# Altium PCB zigbee_esp_gateway_pcb.PcbDoc
Units mil, origin at the board's own origin, x right, y up, seen from the top; angles counter-clockwise.
Board outline 3543.31 x 1377.95 mil, 2 copper layers (Top Layer, Bottom Layer); 35 components, 31 nets, 146 pads, 47 vias.
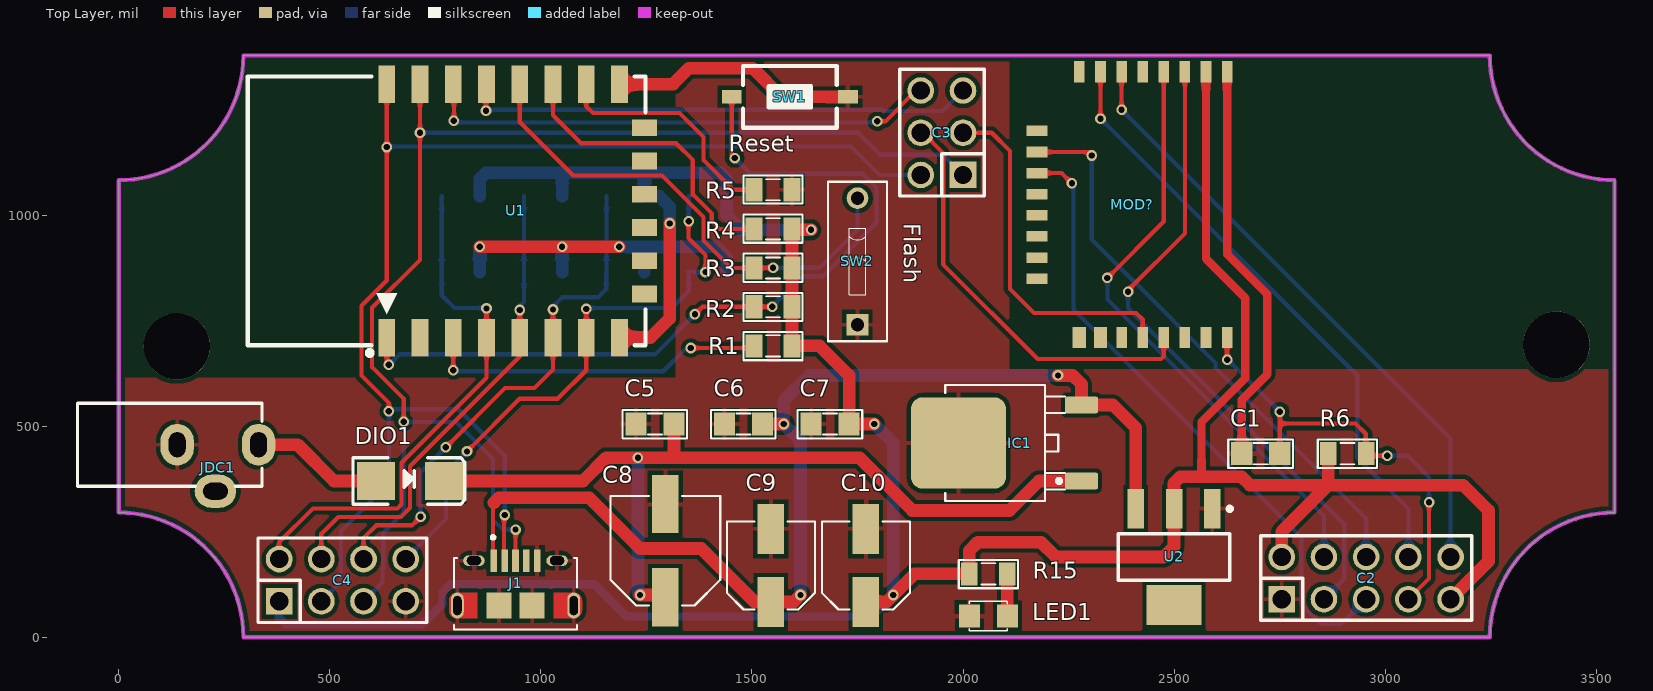
[diagram p0: Top Layer view]
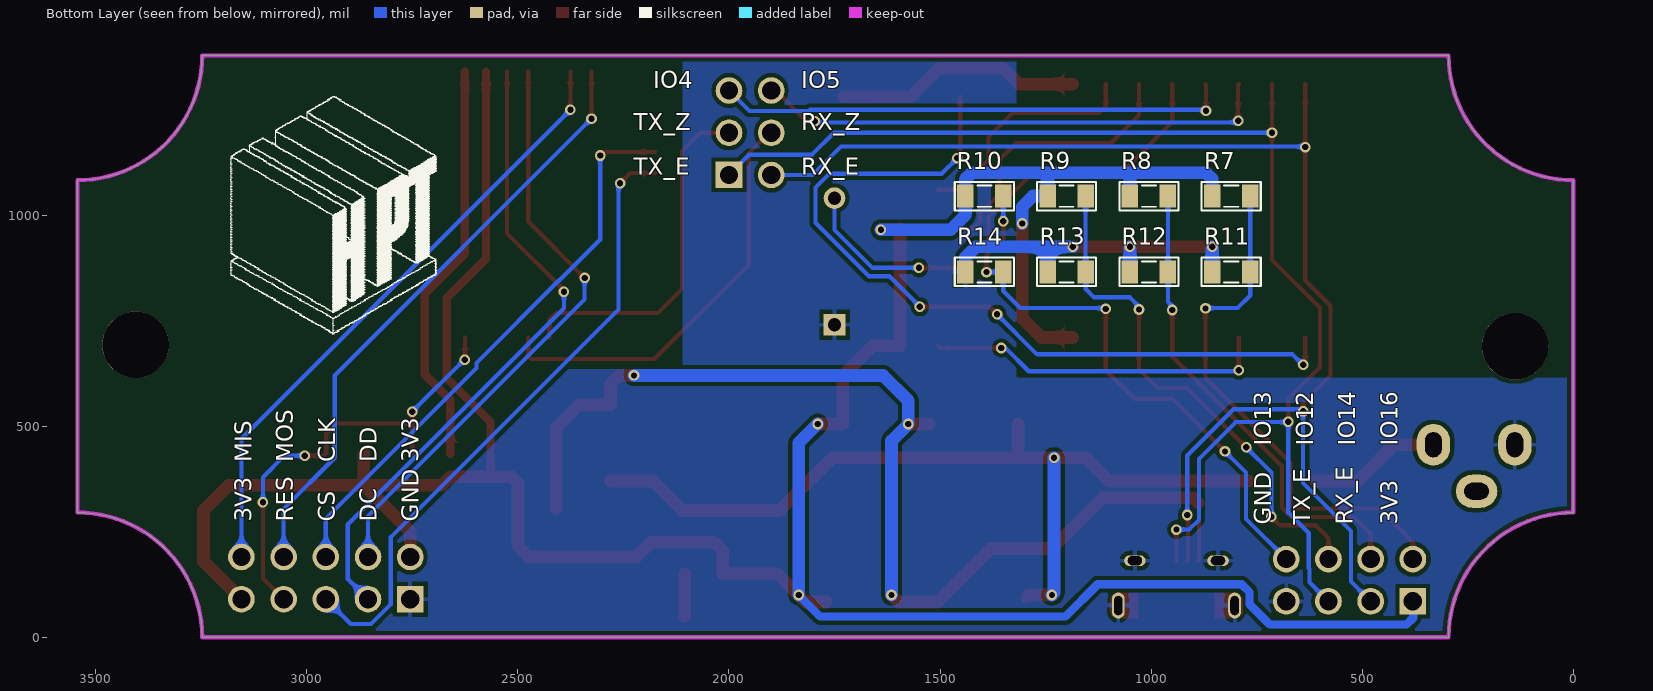
[diagram p1: Bottom Layer view, seen from below]
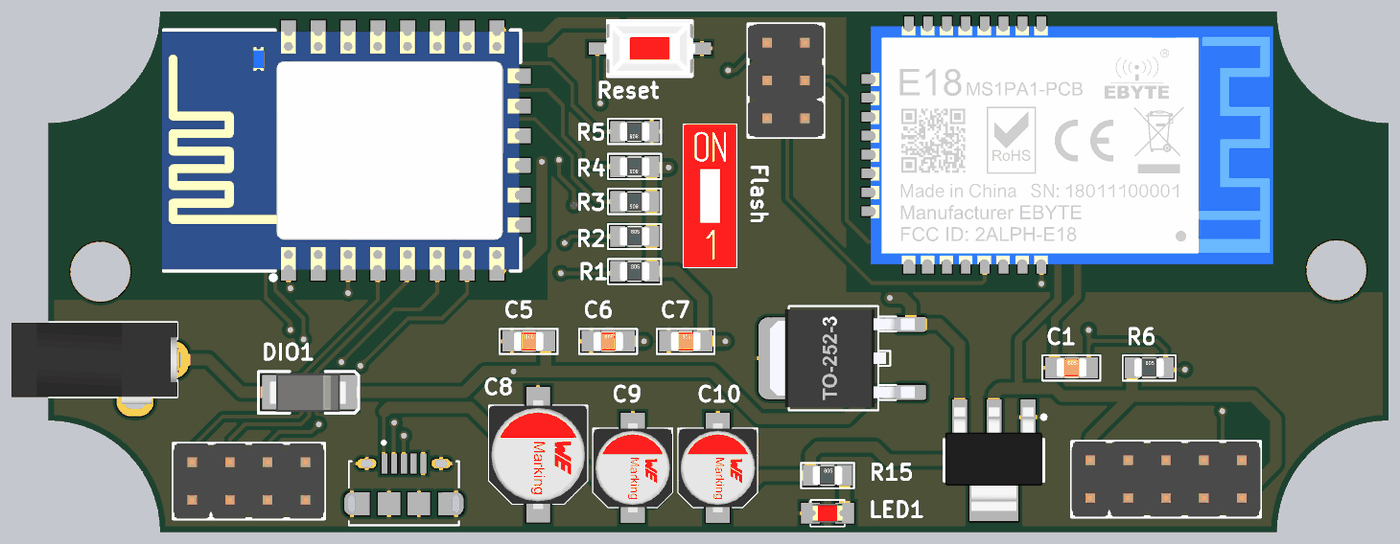
[diagram p2: 3D render of the assembled board from above, using the file's embedded part models]
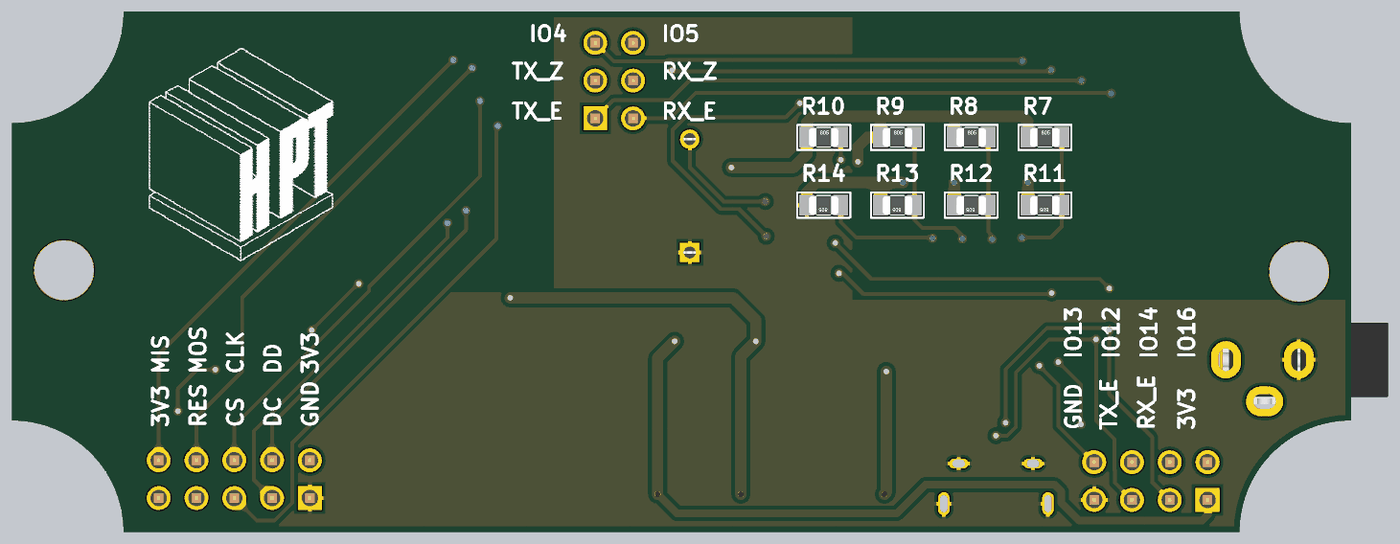
[diagram p3: 3D render of the assembled board from below, using the file's embedded part models]

## Layer stack, top to bottom
Top Solder: solder mask 0.4, Solder Resist, Dk 3.5
Top Layer: signal copper 1.4
Dielectric 1: dielectric 12.6, FR-4, Dk 4.8
Bottom Layer: signal copper 1.4
Bottom Solder: solder mask 0.4, Solder Resist, Dk 3.5

## Board outline
0,295.28 cw(c0,0) 295.28,0 3248.03,0 cw(c3543.31,0) 3543.31,295.28 3543.31,1082.68 cw(c3543.31,1377.95) 3248.03,1377.95 295.28,1377.95 cw(c0,1377.95) 0,1082.68

## Design rules (kind name [scope] priority, off if disabled: settings)
Clearance [All] p1: gap=10
PolygonConnect [All] p1: connectstyle=Relief reliefconductorwidth=10 reliefentries=4 polygonreliefangle="90 Angle" airgapwidth=10
RoomDefinition zigbee_esp_gateway_schematic [InComponentClass('zigbee_esp_gateway_schematic')] p1: confinementstyle=ConfineIn formatcopy=TRUE lockcomponents=FALSE outline 3590.28,60 13470.28,60 13470.28,1875 3590.28,1875
RoutingVias [All] p1: holewidth=15 width=25 viastyle="Through Hole" minholewidth=15 minwidth=25 maxholewidth=28 maxwidth=50
SolderMaskExpansion [All] p1: expansion=4
Width [All] p1: maxlimit=50 minlimit=10 preferedwidth=10
30 further rules are at their usual default settings.

## Components (designator, comment, footprint, x,y, rotation, side; value= is the part's Value field where it differs from the comment)
C1 "104" SM-CAP-0805 2660.28,435 r0 top
C2 "JP5x2" JP5-D2T 2955,140 r0 top
C3 "JP3x2" JP3-D2T 1950,1195 r90 top
C4 "JP4x2" JP4-D2T 530,135 r0 top
C5 "104" SM-CAP-0805 1225.28,505 r0 top
C6 "104" SM-CAP-0805 1435.28,505 r0 top
C7 "104" SM-CAP-0805 1640.28,505 r0 top
C8 "4.7uF,50V" CAP-ALU-SMD-6.3x7.7x2.2 1295,205 r90 top
C9 "10uF,16V" CAP-ALU-SMD-5x5.5x1.4 1545,170 r90 top
C10 "10uF,16V" CAP-ALU-SMD-5x5.5x1.4 1770,170 r90 top
DIO1 "Diode SMD" DIO-SMD-106 690,370 r180 top
IC1 "LM78xx" TO252-123 2135,460 r90 top
J1 "10118194-0001LF" AMPHENOL_10118194-0001LF 940,75 r0 top
JDC1 "Jac DC" DC3 331.5,455.98 r0 top
LED1 "LED" LED-0805-Red 2105,50 r180 top
MOD? "EBYTE-LORA-ZIGBEE-MODULE" EBYTE-LORA-ZIGBEE-MODULE 2090,725 r90 top
R1 "Res" RES-SMD-0805 1550,690 r0 top
R2 "Res" RES-SMD-0805 1550,782.75 r0 top
R3 "10K" RES-SMD-0805 1550,874.5 r180 top
R4 "10K" RES-SMD-0805 1550,967.25 r180 top
R5 "10K" RES-SMD-0805 1550,1060 r180 top
R6 "Res" RES-SMD-0805 2910.28,435 r0 top
R7 "10K" RES-SMD-0805 810.28,1045 r180 bottom
R8 "10K" RES-SMD-0805 1005.28,1045 r180 bottom
R9 "10K" RES-SMD-0805 1200.28,1045 r180 bottom
R10 "10K" RES-SMD-0805 1395.28,1045 r180 bottom
R11 "10K" RES-SMD-0805 810.28,865 r0 bottom
R12 "10K" RES-SMD-0805 1005.28,865 r0 bottom
R13 "10K" RES-SMD-0805 1200.28,865 r0 bottom
R14 "10K" RES-SMD-0805 1395.28,865 r0 bottom
R15 "Res" RES-SMD-0805 2060,150 r0 top
SW1 "Reset" SW1-SMD 1590,1280 r180 top
SW2 "Flash" SW-DIP1-1 1750,890 r0 top
U1 "ESP_12_E" ESP_12_E 635,695 r90 top
U2 "LM1117-3.3V" SOT223 2500,190 r180 top

## Footprints (in the part's own frame and the unit in brackets; to place one, negate y for a bottom-side part, rotate by r counter-clockwise, add the part's x,y. Pads: shape width x height; smd on the part's side, far side on the other; paste and mask are expansions set on the pad)
AMPHENOL_10118194-0001LF [mm]
  rect 0.4x1.35 smd: 1(-1.3,2.7) 2(-0.65,2.7) 3(0,2.7) 4(0.65,2.7) 5(1.3,2.7)
  oval 1.3x0.65 hole 0.55 slot 0.85 at 0 deg: S1(-2.5,2.7) S2(2.5,2.7)
  oval 0.775x1.55 hole 0.5 slot 1.15 at 90 deg: S3(-3.5,0) S6(3.5,0)
  rect 1.5x1.55 smd: S4(-1,0) S5(1,0)
  Top Layer region: 193 vertices and 0 holes, not listed, extent 2.3,-0.78 4,0.775
  Top Layer region: 193 vertices and 0 holes, not listed, extent -4,-0.775 -2.3,0.78
  silkscreen extent -3.7,-1.45 3.7,4.2
CAP-ALU-SMD-5x5.5x1.4 [mm]
  rect 3x1.6 smd: 1(-2.2,0) 2(2.2,0)
  silkscreen extent -2.65,-2.65 2.65,2.65, body extent -3,-2.65 3,2.65, height 5.45
CAP-ALU-SMD-6.3x7.7x2.2 [mm]
  rect 3.5x1.6 smd: 1(-2.8,0) 2(2.8,0)
  silkscreen extent -3.3,-3.3 3.3,3.3, body extent -3.65,-3.3 3.65,3.3, height 7.65
DC3 [mm] "WR-DC_DC Power Jack_Right Angled_THT Center Pin ?1.0_Plug ID ?1.05_Plug OD ?3.5"
  oval 2x2.5 hole 1 slot 1.5 at 90 deg: 1(0,0) 2(-4.9,0)
  oval 2.5x2 hole 1 slot 1.5 at 0 deg: 3(-2.6,-2.8)
  silkscreen extent -10.9,-2.5 0.2,2.5, body extent -10.9,-3 0.4,2.5, height 7.81
DIO-SMD-106 [mil]
  rect 90x90.55 smd: 1(80,0) 2(-80,0)
  silkscreen extent -130,-55 135,55, body extent -99,-50 106,52, height 95
EBYTE-LORA-ZIGBEE-MODULE [mil]
  rect 50x25 smd: 1(614.46,-535.65) 2(614.46,-485.65) 3(614.46,-435.65) 4(614.46,-385.65) 5(614.46,-335.65) 6(614.46,-285.65) 7(614.46,-235.65) 8(614.46,-185.65) 19(-15.46,-285.65) 20(-15.46,-335.65) 21(-15.46,-385.65) 22(-15.46,-435.65) 23(-15.46,-485.65) 24(-15.46,-535.65)
  rect 25x50 smd: 9(474.3,-85.25) 10(424.3,-85.25) 11(374.3,-85.25) 12(324.3,-85.25) 13(274.3,-85.25) 14(224.3,-85.25) 15(174.3,-85.25) 16(124.3,-85.25)
  rect 50x31.5 smd: 17(-15.46,-185.65) 18(-15.46,-235.65)
  body extent -17,-1147 614,-84, height 107
ESP_12_E [mm] "ESP-12 Wi-Fi Module by AI-Thinker"
  rect 2.25x1 smd: 1(0.375,0) 2(0.375,-2) 3(0.375,-4) 4(0.375,-6) 5(0.375,-8) 6(0.375,-10) 7(0.375,-12) 8(0.375,-14) 15(15.625,-14) 16(15.625,-12) 17(15.625,-10) 18(15.625,-8) 19(15.625,-6) 20(15.625,-4) 21(15.625,-2) 22(15.625,0)
  rect 1x1.5 smd: 9(3,-15.5) 10(5,-15.5) 11(7,-15.5) 12(9,-15.5) 13(11,-15.5) 14(13,-15.5)
  silkscreen extent -0.7,-15.57 16.08,8.37, body extent 0,-15.49 16,8.51, height 2.75
JP3-D2T [mm] "6 pins, dual pin, straight, gold plating"
  rect 1.6x1.6 hole 1.1: 1(-2.54,-1.27)
  round 1.6 hole 1.1: 2(0,-1.27) 3(2.54,-1.27) 4(2.54,1.27) 5(0,1.27) 6(-2.54,1.27)
  silkscreen extent -3.81,-2.54 3.81,2.54, body extent -3.81,-2.54 3.81,2.54, height 8.55
JP4-D2T [mm] "8 pins, dual pin, straight, gold plating"
  rect 1.61x1.6 hole 1.1: 1(-3.81,-1.27)
  oval 1.61x1.6 hole 1.1: 2(-1.27,-1.27) 3(1.27,-1.27) 4(3.81,-1.27) 5(3.81,1.27) 6(1.27,1.27) 7(-1.27,1.27) 8(-3.81,1.27)
  silkscreen extent -5.08,-2.54 5.08,2.54, body extent -5.08,-2.54 5.08,2.54, height 8.55
JP5-D2T [mm] "10 pins, dual pin, straight, gold plating"
  rect 1.6x1.6 hole 1.1: 1(-5.08,-1.27)
  round 1.6 hole 1.1: 2(-2.54,-1.27) 3(0,-1.27) 4(2.54,-1.27) 5(5.08,-1.27) 6(5.08,1.27) 7(2.54,1.27) 8(0,1.27) 9(-2.54,1.27) 10(-5.08,1.27)
  silkscreen extent -6.35,-2.54 6.35,2.54, body extent -6.35,-2.54 6.35,2.54, height 8.55
LED-0805-Red [mil]
  rect 50x55 smd: 1(0,0) 2(90,0)
  silkscreen extent 0,-35 90,35, body extent 5,-25 85,25, height 43
RES-SMD-0805 [mil]
  rect 39.37x55 smd: 1(-45,0) 2(45,0)
  silkscreen extent -70,-34 70,33, body extent -39,-25 39,25, height 31
SM-CAP-0805 [mil]
  rect 50x55 smd: 1(0,0) 2(90,0)
  silkscreen extent -32,-34 121,33, body extent 6,-25 84,25, height 31
SOT223 [mm]
  rect 1x2.4 smd: 1(-2.3,-2.9) 2(0,-2.9) 3(2.3,-2.9)
  rect 3.3x2.4 smd: 4(0,2.9)
  silkscreen extent -3.48,-3.02 3.35,1.4, body extent -3.25,-3.56 3.25,3.4, height 1.68
SW1-SMD [mm]
  rect 1.2x0.8 smd: 1(-3.5,0) 2(3.5,0)
  silkscreen extent -2.82,-1.85 2.82,1.85, body extent -3.05,-1.85 3.05,1.85, height 2.5
SW-DIP1-1 [mm] "01p, 2.54mm Pitch, Horizontal, Box Type, THT, flat Actuator, red, without Tape, Tube"
  rect 1.3x1.3 hole 0.8: 1(0,-3.81)
  round 1.3 hole 0.8: 2(0,3.81)
  silkscreen extent -1.77,-4.8 1.77,4.8, body extent -1.77,-4.8 1.77,4.8, height 5.4
TO252-123 [mm]
  round 0.5 on Mech15: 0(0,0)
  rrect25% 1x2 smd: 1(-2.285,-3.7) 3(2.285,-3.7)
  rrect25% 5.5x5.7 smd: 2(0,3.7)
  silkscreen extent -3.5,-2.7 3.5,4.5, body extent -3.3,-3.95 3.3,5.76, height 2.31

## Part data
C1 C5 C6 C7: library part CN
C2 C3 C4: "WR-PHD 2.54 mm Dual Socket Header"
C8 C9 C10: library part CN-ALU-SMD, "Polarized Capacitor (Axial)"
DIO1: "Default Diode"
IC1: "Positive Voltage Regulator"
J1: "USB - micro B USB 2.0 Receptacle Connector 5 Position Surface Mount, Right Angle; Through Hole"
JDC1: library part DCIN, "Jac DC input"
LED1: library part "LED SMD"
R1 R2 R3 R4 R5 R6 R7 R8 R9 R10 R11 R12 R13 R14 R15: library part Res-SMD, "Resistor"
SW1 SW2: library part SW2, "Switch button 2 pin"
U1: "ESP-12 Wi-Fi Module by AI-Thinker"
U2: library part LM1117, "800mA Low-Dropout Linear Regulator"

## Free pads (board coordinates)
  round 157.48 hole 157.48: 1(137.8,688.98) 4(3405.51,692.91)

## Via types
v1: diameter 25, hole 15, Top Layer to Bottom Layer, tented both sides, 47 vias

## Nets (pads, with @x,y where several pads share a name; then routed paths per layer and width w, separated by ;. In a path a pad name is that pad's centre, name@x,y a point inside that pad or via, vN(x,y) a via of type N, cw(c..) or ccw(c..) an arc to the next point about the centre after c; other vN are vias at no path point)
3V3: C2.5 C2.10 C4.1 C7.2 C10.1 MOD?.2 R1.2 R2.2 R3.1 R4.1 R6.1 R7.1 R8.1 R9.1 R10.1 R15.1 U1.8 U2.2 | length 7564.6
  Top Layer w20: 2565,380 2565,510 2669,614 2669,803 2575.65,896.35 MOD?.2
  Top Layer w30: U1.8 1259.76,709.76 1305,755 v1(1305,980) ; v1(1640,965) 1597.25,965 R4.1 R3.1 R1.2 1660,690 1730.28,619.72 C7.2 v1(1790,505) ; C10.1 1818.39,83.39 v1(1835,100) 1885,150 R15.1 2015,205 2035,225 2185,225 2220,190 2475,190 2500,215 U2.2 2500,365 2515,380 2565,380 2660,380 2679.73,360.27 2865.27,360.27 ; C2.10 2755,250 2865.27,360.27 ; R6.1 2865.27,360.27 ; C2.5 3245,180 3245,300 3184.73,360.27 2865.27,360.27
  Bottom Layer w20: C4.1@379,89 379,46 395,30 719,30 766.95,77.95 766.95,106.95 785.51,125.51 1126.49,125.51 1203,49 1784,49 v1(1835,100)
  Bottom Layer w30: R7.1 855.28,1085.28 870,1100 1425,1100 1440.28,1084.72 R10.1 1440.28,1000.28 1440,1000 1475,965 v1(1640,965) ; R8.1 1050.28,1090.28 ; 1245.28,1094.72 R9.1 1280,1045 1305,1020 v1(1305,980) ; v1(1790,505) 1835,460 v1(1835,100)
5V: C6.2 C9.1 IC1.3 J1.1 U2.3 | length 2636.4
  Top Layer w10: J1.1 886.91,183.21 886.91,316.91 888.82,318.82
  Top Layer w30: 888.82,318.82 900,330 1115,330 1235,210 1380,210 1506.61,83.39 C9.1 1598.39,83.39 v1(1615,100) ; C6.2 v1(1575,505) ; v1(2225,620) 2260,620 2280.67,599.33 IC1.3 2355.04,549.96 2409.45,495.55 U2.3
  Bottom Layer w30: v1(1615,100) 1615,465 v1(1575,505) 1575,560 1635,620 v1(2225,620)
CLK: C2.8 MOD?.10 | length 1353.9
  Top Layer w10: MOD?.10 2296.7,1149.3 v1(2305,1141)
  Bottom Layer w10: v1(2305,1141) 2305,942 2401.5,845.5 2402.39,845.5 2598.15,649.74 2598.15,637.85 2955,281 C2.8
CS: C2.3 MOD?.11 | length 1512.5
  Top Layer w10: MOD?.11 2233.7,1099.3 v1(2258,1075)
  Bottom Layer w10: v1(2258,1075) 2262,1071 2262,775.99 2801.5,236.5 2801.5,77.75 2848.24,31 2896,31 C2.3
DC: C2.2 MOD?.3 | length 1538.9
  Top Layer w10: v1(2391,818) 2389,820 2525.65,956.65 MOD?.3
  Bottom Layer w10: v1(2391,818) 2391,779.28 2903,267.28 2903,138 C2.2
DD: C2.9 MOD?.4 | length 1417.3
  Top Layer w10: v1(2342,851) 2475.65,984.65 MOD?.4
  Bottom Layer w10: v1(2342,851) 2342,800 2855,287 C2.9
DIG_IN: MOD?.5
GND: C1.1 C2.1 C4.4 C5.1 C6.1 C7.1 C8.2 C9.2 C10.2 IC1.2 J1.5 J1.S1 J1.S2 J1.S3 J1.S4 J1.S5 J1.S6 JDC1.2 LED1.2 MOD?.1 R5.1 R11.2 R12.2 R13.2 R14.2 SW1.1 SW2.1 U1.15 U2.1 | length 2364.8
  Top Layer w20: MOD?.1 2625.65,907.35 2721,812 2721,623 2660.28,562.28 C1.1
  Top Layer w30: v1(855.27,924.73) 855,925 v1(1185.71,925) ; U1.15 1313.2,1310.16 1351,1347.95 1502.05,1347.95 1570,1280 SW1.1
  Bottom Layer w30: R11.2 v1(855.27,924.73) ; R12.2 v1(1050.27,924.73) ; v1(1185.71,925) 1245.27,925 ; R13.2 1245.27,925 ; R14.2 1440.27,899.73 1415,925 1245.27,925
IO12: C4.6 R9.2 R13.1 U1.6 | length 1241.9
  Top Layer w10: C4.6 580,235 610,265 695,265 v1(715,285) ; v1(775,450) 915,590 985,590 1028.7,633.7 U1.6 v1(1028.7,776.3)
  Bottom Layer w10: v1(715,285) 715,390 v1(775,450) ; v1(1028.7,776.3) 1025,780 1050.06,805.06 1135.06,805.06 1155,825 1155,864.73 R13.1 R9.2
IO13: C4.5 R10.2 R14.1 U1.7 | length 1368.9
  Top Layer w10: v1(825,440) 950,565 1040,565 1107.44,632.44 U1.7 v1(1107.44,777.56) ; v1(1350.28,985.28) 1350,985 1350,945 1390,905 v1(1390,865)
  Bottom Layer w10: C4.5 775,280 775,390 v1(825,440) ; v1(1107.44,777.56) 1105,780 1310,780 1350.27,820.27 R14.1 v1(1390,865) ; v1(1350.28,985.28) R10.2
IO14: C4.7 R8.2 R12.1 U1.5 | length 1149.9
  Top Layer w10: C4.7 480,245 520,285 668.28,285 690,306.72 690,405 949.96,664.96 U1.5 v1(949.96,775.04)
  Bottom Layer w10: v1(949.96,775.04) 945,780 960.27,795.27 R12.1 R8.2
IO16: C4.8 R7.2 R11.1 U1.4 | length 1268.4
  Top Layer w10: C4.8 380,225 460,305 660,305 670,315 670,413.28 871.22,614.5 U1.4 v1(871.22,778.78)
  Bottom Layer w10: R7.2 R11.1 765.27,809.73 795,780 870,780 v1(871.22,778.78)
KEY: MOD?.12
MISO: C2.6 MOD?.6 | length 1472.3
  Top Layer w10: v1(2375.65,1249.35) MOD?.6
  Bottom Layer w10: v1(2375.65,1249.35) 3155,470 C2.6
MOSI: C2.7 MOD?.7 | length 1451.6
  Top Layer w10: v1(2325.65,1228.35) MOD?.7
  Bottom Layer w10: v1(2325.65,1228.35) 2934,620 2934,425 3055,304 C2.7
NetC5_2: C5.2 C8.1 DIO1.2 IC1.1 | length 2085.7
  Top Layer w30: DIO1.2 1100,370 1155,425 v1(1230,425) 1310,425 ; v1(1235,100) 1289.76,100 C8.1 ; C5.2 1315.28,430.28 1310,425 ; IC1.1 2180.04,370.04 2110,300 1880,300 1755,425 1310,425
  Bottom Layer w30: v1(1230,425) 1230,105 v1(1235,100)
NetDIO1_1: DIO1.1 JDC1.1 | length 314.1
  Top Layer w30: JDC1.1 424.02,455.98 510,370 DIO1.1
NetLED1_1: LED1.1 R15.2 | length 100
  Top Layer w30: LED1.1 R15.2
NetR1_1: R1.1 U1.3 | length 820.6
  Top Layer w10: v1(792.48,632.48) U1.3 ; v1(1355,685) 1500,685 R1.1
  Bottom Layer w10: v1(792.48,632.48) 790,630 1290,630 1345,685 v1(1355,685)
NetR3_2: R3.2 SW2.2 U1.18 | length 1178
  Top Layer w10: U1.18 949.96,1220.04 1076.61,1093.39 1286.61,1093.39 1385,995 1385,940 1450.5,874.5 R3.2 1505.5,875 v1(1550,875)
  Bottom Layer w10: v1(1550,875) 1660,875 1750,965 SW2.2
NetR4_2: R4.2 U1.17 | length 720.2
  Top Layer w10: U1.17 1028.7,1236.3 1095,1170 1320,1170 1360,1130 1360,1048.28 1405,1003.28 1405,985 1422.75,967.25 R4.2
NetR5_2: R5.2 U1.16 | length 564.2
  Top Layer w10: U1.16 1107.44,1257.56 1123.5,1241.5 1328.5,1241.5 1385,1185 1385,1130 1455,1060 R5.2
RESET: C1.2 C2.4 MOD?.24 R6.2 | length 1070.2
  Top Layer w10: v1(2625.65,657.35) MOD?.24 ; C1.2 2750.28,506 ; v1@2750.28,532.72 2750.28,506 ; v1(3005,430) 2960.27,430 R6.2 2954,436.27 2954,482 2930,506 2750.28,506 ; C2.4 3104,139 v1(3104,320)
  Bottom Layer w10: v1(2625.65,657.35) 2625.65,659 v1(2750.28,534.37) ; v1(3005,430) 3053,430 3104,379 v1(3104,320)
RST: R2.1 SW1.2 U1.1 | length 1957.4
  Top Layer w10: U1.1 635,650 v1(640,645) ; v1(1365,765) 1382.75,782.75 R2.1 v1(1547.75,782.75) ; SW1.2 1452.2,1141.8 v1(1459,1135)
  Bottom Layer w10: v1(640,645) 665,670 1270,670 v1(1365,765) ; v1(1459,1135) 1496,1098 1762,1098 1795,1065 1795,981.72 1668.28,855 1620,855 v1(1547.75,782.75)
RX: C3.5 MOD?.21 | length 999
  Top Layer w10: C3.5 1905,1195 1953,1147 1953,883 2177,659 2469,659 2475.65,665.65 MOD?.21
RX_ESP: C3.6 C4.2 J1.2 U1.22 | length 3217.4
  Top Layer w10: U1.22 v1(635,1161) 635,845 575,785 575,620 640,555 v1(640,535) ; J1.2 912.5,183.21 912.5,287.5 v1(914.41,289.41)
  Bottom Layer w10: C4.2 526.69,131.69 526.69,251.69 640,365 v1(640,535) 645,540 805,540 914.41,430.59 v1(914.41,289.41) v1@920,295 ; v1(635,1161) 636.5,1162.5 1734.5,1162.5 1802,1095 C3.6
RX_Z: C3.4 U1.20 | length 1226.5
  Top Layer w10: U1.20 794,1308.64 v1(794,1223) ; v1(1797,1222) 1816,1222 1889,1295 C3.4
  Bottom Layer w10: v1(794,1223) 797.5,1219.5 1794.5,1219.5 v1(1797,1222)
SENSOR: MOD?.16
TX: C3.2 MOD?.20 | length 843.4
  Top Layer w10: C3.2 2068,1195 2111,1152 2111,825 2168,768 2410,768 2425.65,752.35 MOD?.20
TX_ESP: C3.1 C4.3 J1.3 U1.21 | length 3199.1
  Top Layer w10: v1(675,510) 675,565 600.31,639.69 600.31,780.31 713.74,893.74 v1(713.74,1195) U1.21 ; J1.3 v1(940,255)
  Bottom Layer w10: C4.3 625,130 625,162.36 626.69,164.05 626.69,246.69 675,295 v1(675,510) 799.41,510 886.91,422.5 886.91,278.02 909.93,255 v1(940,255) ; v1(713.74,1195) 1751,1195 1803,1143 1952,1143 C3.1
TX_Z: C3.3 U1.19 | length 1217.6
  Top Layer w10: v1(870,1247) 870,1308.94 U1.19
  Bottom Layer w10: v1(870,1247) 870,1249.5 1808.39,1249.5 1811.46,1246.43 1951.43,1246.43 C3.3
pads on no net: IC1.0 J1.4 JDC1.3 MOD?.8 MOD?.9 MOD?.13 MOD?.14 MOD?.15 MOD?.17 MOD?.18 MOD?.19 MOD?.22 MOD?.23 U1.2 U1.9 U1.10 U1.11 U1.12 U1.13 U1.14 U2.4

## Polygon pours and split planes (outlines as drawn)
GND on Top Layer "Top Layer-No Net" (solid, remove dead copper, pour order 0): 0,300 0,615 1320,615 1320,1377.95 2110,1377.95 2110,635 3545,635 3545,0 295.28,0
GND on Bottom Layer "Top Layer-No Net" (solid, remove dead copper, pour order 2): 0,295.28 0,615 1320,615 1320,1377.95 2110,1377.95 2110,635 3543.31,635 3543.31,0 295.28,0

## Keep-outs
Keep-Out Layer:
  the board outline again, w10

## Silkscreen, mask and mechanical layers (free items; w line width, h text height)
Bottom Overlay:
  drawing of 2330 lines, arcs and shapes, not listed
  text "IO5" at 1829,1300 h40
  text "IO4" at 2179.35,1300 h40
  text "RX_Z" at 1829,1200.83 h40
  text "TX_Z" at 2226,1200.83 h40
  text "RX_E" at 1829,1095 h40
  text "TX_E" at 2226,1095 h40
  text "IO16" at 416,454 h40 r270
  text "IO14" at 516,454 h40 r270
  text "IO12" at 616,454 h40 r270
  text "IO13" at 716,454 h40 r270
  text "3V3" at 2735,414 h40 r270
  text "DD" at 2834,414 h40 r270
  text "CLK" at 2933,414 h40 r270
  text "MOS" at 3032,414 h40 r270
  text "MIS" at 3131,414 h40 r270
  text "GND" at 2735,273 h40 r270
  text "DC" at 2834,273 h40 r270
  text "CS" at 2933,273 h40 r270
  text "RES" at 3032,273 h40 r270
  text "3V3" at 3131,273 h40 r270
  text "3V3" at 416,266 h40 r270
  text "RX_E" at 522.66,266 h40 r270
  text "TX_E" at 622.66,266 h40 r270
  text "GND" at 716,266 h40 r270

## Text inside footprints (layer, text, board x,y; h text height)
J1: Mechanical 13 "PCB END" at 863.23,-7.68 h19.68
MOD?: Mechanical 7 "-PCB" at 3218.56,1181.98 h61.02 r90; Mechanical 7 "-IPX" at 3041.4,1181.98 h61.02 r90
U1: Mechanical 13 "CUTOUT POLYGON" at 345,700 h10 r90; Mechanical 13 "ANTENNA AREA" at 325,700 h10 r90